# KiCad board DCTransistor_Bidirectional.kicad_pcb (continued)
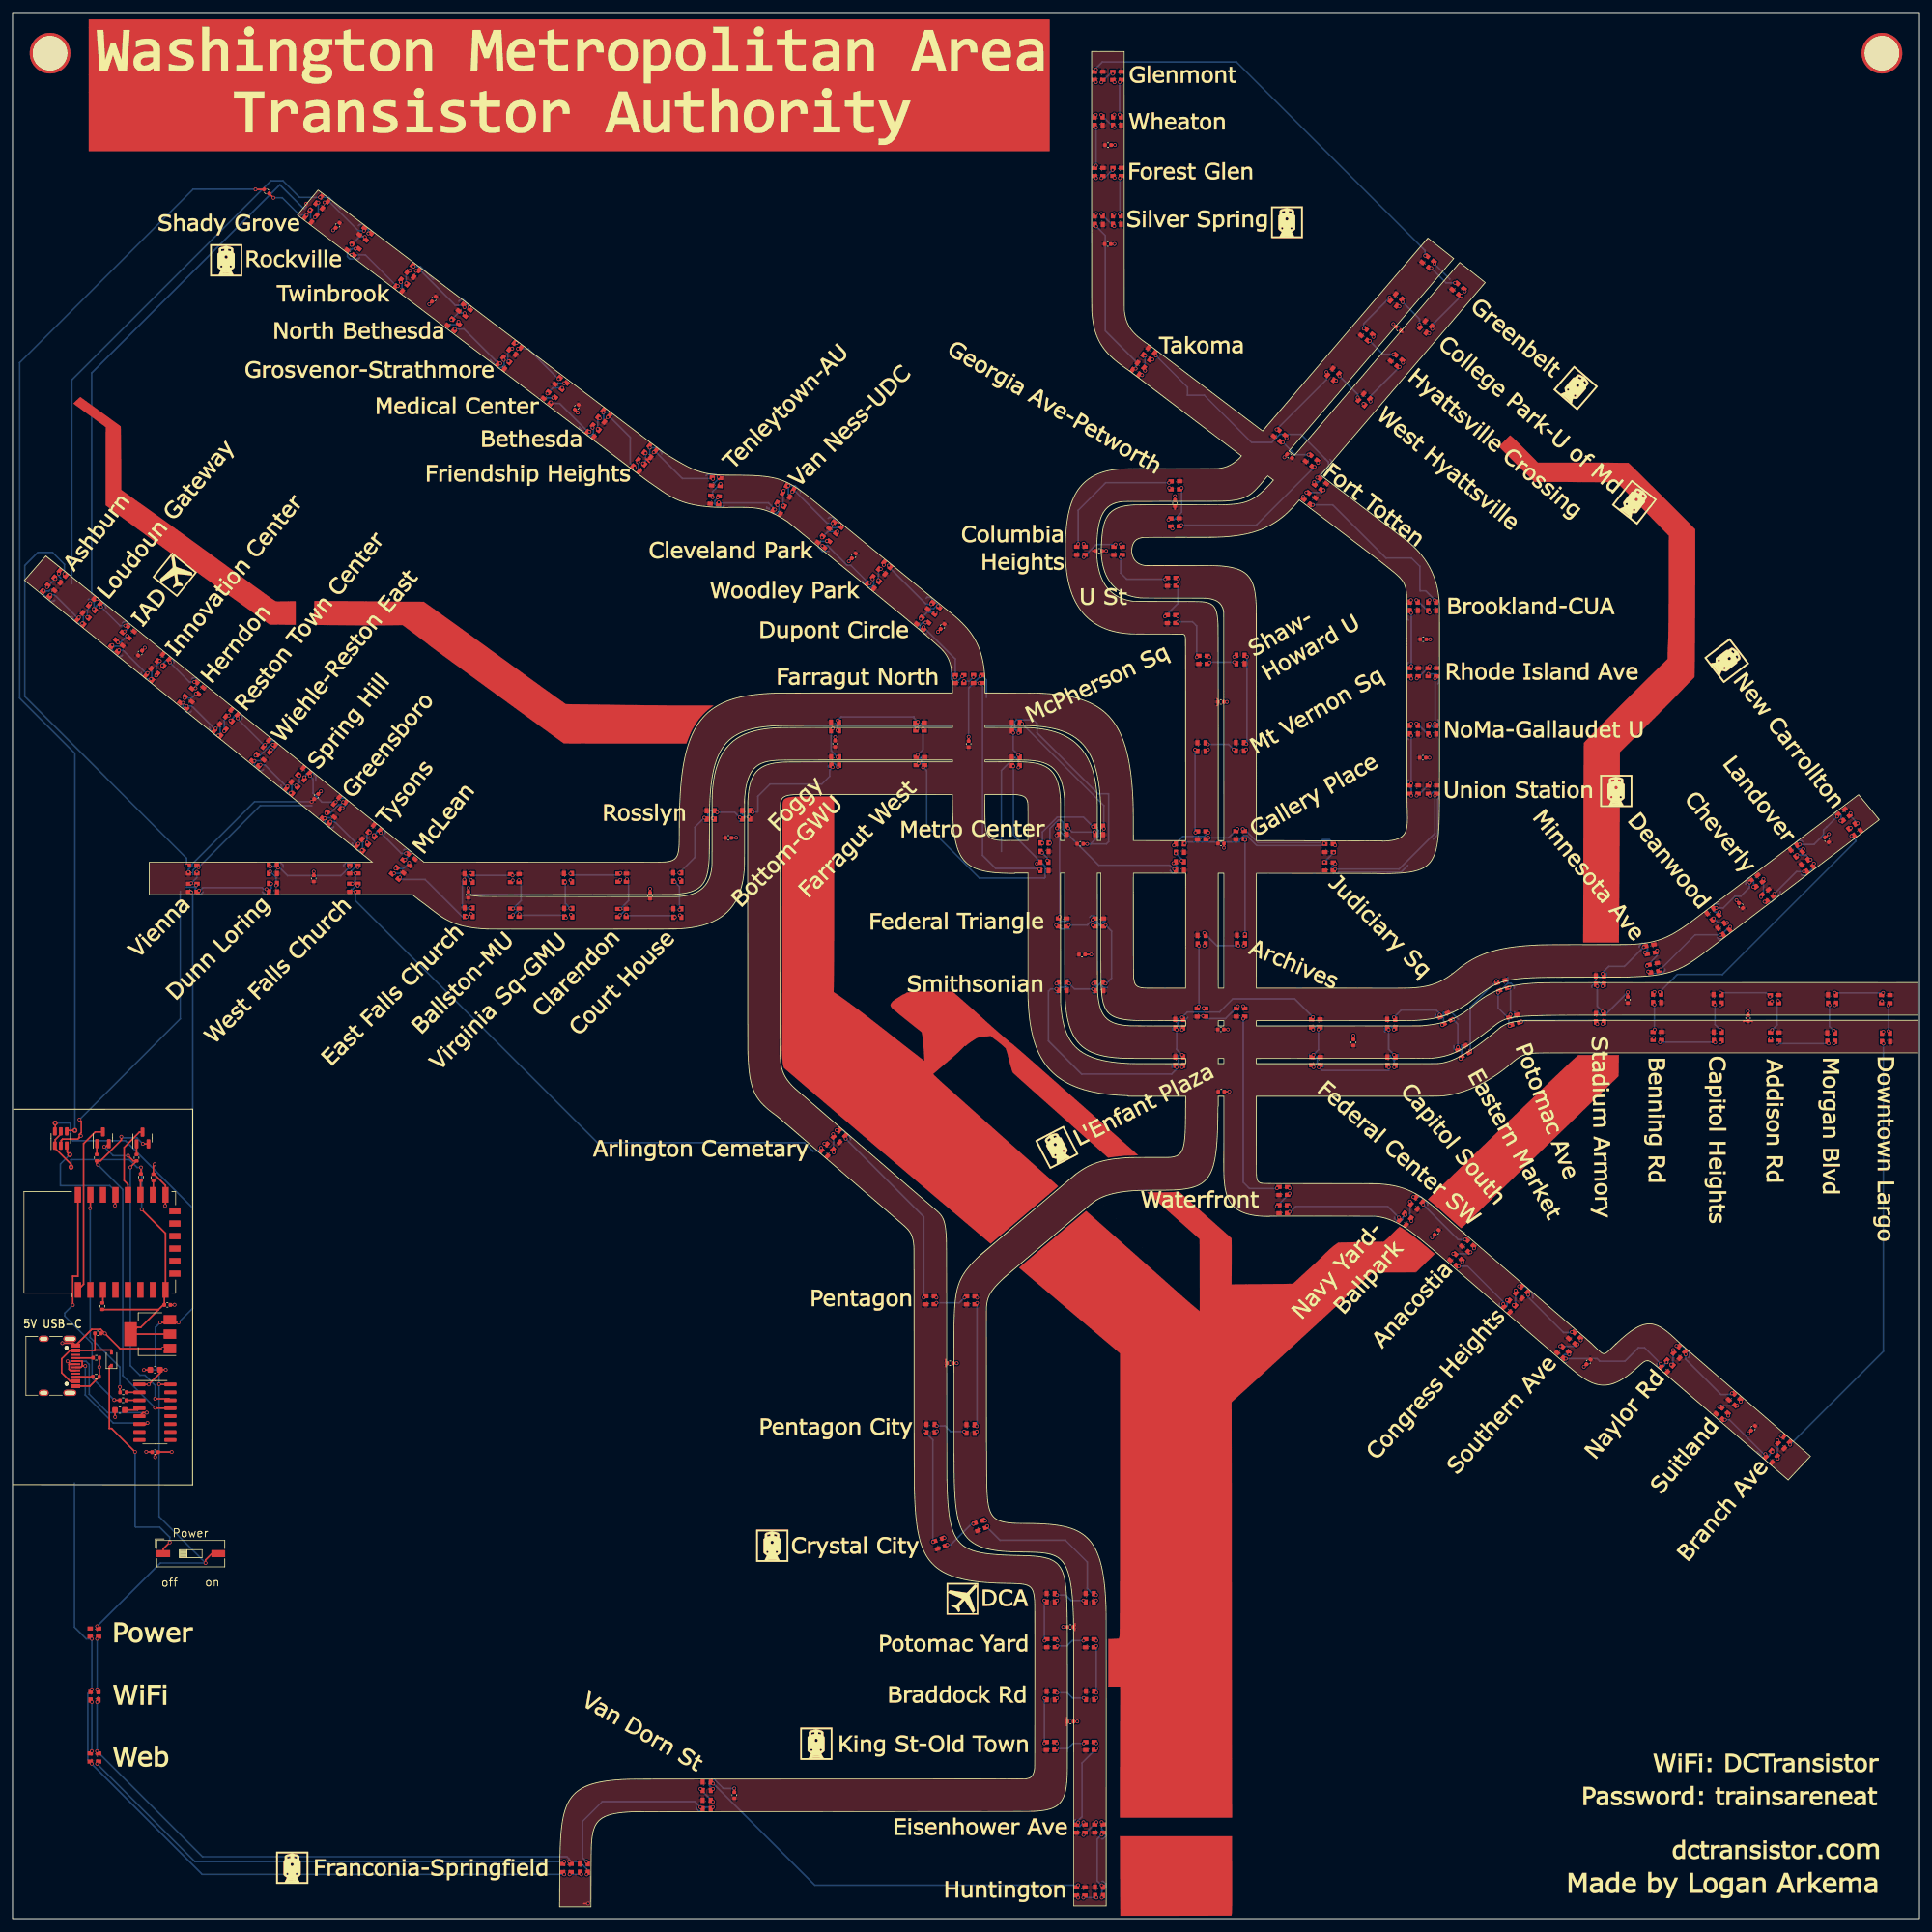
[diagram p0: board, top side]
## Routing (per net, layer and track width the routed paths; a pad name or vN(x,y) marks a point on that pad's centre or on a via; arc(x,y) is an arc through that point) (continued)
Net-(D106-Pad1): length 5.2
  Top w0.25: v1(262.43,146.24) 262.44,146.25 262.44,146.81 ; v1(262.48,142.24) 262.48,142.24 262.48,141.64
  Bottom w0.25: v1(262.43,146.24) 262.43,142.29 v1(262.48,142.24)
Net-(D107-Pad1): length 43.6
  Top w0.25: 294.36,173.59 294.33,173.59 v1(293.92,173.18) ; v1(263.28,148.23) 263.29,148.23 263.29,147.66
  Bottom w0.25: v1(263.28,148.23) 265.56,150.51 265.56,150.52 266.09,151.05 273.32,151.05 294.6,172.33 294.6,172.5 v1(293.92,173.18)
Net-(D108-Pad1): length 3.3
  Top w0.25: v1(293.78,176.83) 293.42,176.47 293.31,176.47 ; v1(294.93,175.21) 294.51,174.79 294.5,174.79
  Bottom w0.25: v1(293.78,176.83) 293.78,176.36 v1(294.93,175.21)
Net-(D109-Pad1): length 9.5
  Top w0.25: v1(285.65,171.82) 285.23,171.4 285.21,171.4 ; 292.11,176.61 291.96,176.61 v1(291.63,176.28)
  Bottom w0.25: v1(291.63,176.28) 290.02,174.67 289.99,174.67 289.46,174.14 289.46,173.35 287.93,171.82 v1(285.65,171.82)
Net-(D110-Pad1): length 3.3
  Top w0.25: 285.07,170.2 285.13,170.14 v1(285.25,170.14) ; v1(287.4,169.39) 287.07,169.06 286.94,169.06
  Bottom w0.25: v1(285.25,170.14) 286.65,170.14 v1(287.4,169.39)
Net-(D111-Pad1): length 7.4
  Top w0.25: v1(286.33,167.49) 286.7,167.86 286.8,167.86 ; 281.13,163.61 281.25,163.61 v1(281.58,163.94)
  Bottom w0.25: v1(286.33,167.49) 285.13,167.49 v1(281.58,163.94)
Net-(D112-Pad1): length 4.3
  Top w0.25: v1(279.86,166.32) 279.45,165.91 279.39,165.91 ; 279.93,163.75 279.79,163.75 v1(279.47,163.43)
  Bottom w0.25: v1(279.47,163.43) 279.86,163.82 v1(279.86,166.32)
Net-(D113-Pad1): length 8.8
  Top w0.25: v1(272.31,161.68) 271.91,161.28 271.86,161.28 ; 278.19,166.05 277.97,166.05 v1(277.67,165.75)
  Bottom w0.25: v1(272.31,161.68) 273.44,161.68 275.31,163.55 276.23,163.55 277.63,164.95 277.63,165.71 v1(277.67,165.75)
Net-(D114-Pad1): length 3.3
  Top w0.25: 271.72,160.08 271.79,160.01 v1(271.91,160.01) ; 273.58,158.93 273.68,158.93 v1(274.04,159.29)
  Bottom w0.25: v1(271.91,160.01) 272.63,159.29 v1(274.04,159.29)
Net-(D115-Pad1): length 13.1
  Top w0.25: v1(272.97,157.38) 273.32,157.73 273.44,157.73 ; v1(263.41,151.85) 263.32,151.76 262.86,151.76
  Bottom w0.25: v1(272.97,157.38) 268.94,157.38 v1(263.41,151.85)
Net-(D116-Pad1): length 4.3
  Top w0.25: 261.86,152.44 261.26,152.44 v1(261.25,152.43) ; v1(262.86,154.88) 262.71,154.73 262.31,154.73
  Bottom w0.25: v1(261.25,152.43) 262.86,154.04 v1(262.86,154.88)
Net-(D117-Pad1): length 9.6
  Top w0.25: v1(254.15,151.15) 254.15,151.15 254.15,150.58 ; 261.31,155.41 260.73,155.41 v1(260.72,155.42)
  Bottom w0.25: v1(260.72,155.42) 257.64,152.34 255.14,152.34 254.15,151.35 v1(254.15,151.15)
Net-(D118-Pad1): length 5.5
  Top w0.25: 254.16,144.55 254.16,145.12 v1(254.15,145.12) ; 253.29,149.73 253.29,149.19 v1(253.3,149.18)
  Bottom w0.25: v1(253.3,149.18) 253.3,145.97 v1(254.15,145.12)
Net-(D119-Pad1): length 13.7
  Top w0.25: 253.31,143.7 253.31,143.12 v1(253.3,143.11) ; v1(241.17,143.52) 241.17,143.52 240.57,143.52
  Bottom w0.25: v1(241.17,143.52) 241.51,143.52 241.66,143.67 252.81,143.67 253.3,143.18 v1(253.3,143.11)
Net-(D120-Pad1): length 5.6
  Top w0.25: 239.49,144.06 239.49,144.56 v1(239.42,144.63) ; v1(239.25,149.01) 239.24,149.02 238.66,149.02
  Bottom w0.25: v1(239.25,149.01) 239.42,148.84 v1(239.42,144.63)
Net-(D121-Pad1): length 14.1
  Top w0.25: 232.49,138.61 232.74,138.61 v1(233,138.87) ; 237.58,149.56 237.58,149.59 v1(237.17,150)
  Bottom w0.25: v1(233,138.87) 233,145.83 v1(237.17,150)
Net-(D122-Pad1): length 6
  Top w0.25: 231.33,138.95 231.33,139.1 v1(231.01,139.42) ; 229.66,143.85 230.23,143.85 v1(230.25,143.87)
  Bottom w0.25: v1(231.01,139.42) 231.01,143.11 v1(230.25,143.87)
Net-(D123-Pad1): length 9.4
  Top w0.25: 228.5,144.19 228.5,144.22 v1(228.11,144.61) ; v1(220.79,144.19) 220.79,144.19 220.79,143.62
  Bottom w0.25: v1(220.79,144.19) 221.94,145.34 227.58,145.34 228.11,144.81 v1(228.11,144.61)
Net-(D124-Pad1): length 5.5
  Top w0.25: v1(220.83,138.2) 220.84,138.2 220.84,137.62 ; 219.94,142.78 219.94,142.22 v1(219.95,142.21)
  Bottom w0.25: v1(219.95,142.21) 219.95,139.08 v1(220.83,138.2)
Net-(D125-Pad1): length 13
  Top w0.25: v1(208.78,136.21) 208.78,136.22 208.78,136.78 ; 219.99,136.77 219.99,136.22 v1(219.98,136.21)
  Bottom w0.25: v1(208.78,136.21) 209.28,135.71 219.98,135.71 v1(219.98,136.21)
Net-(D126-Pad1): length 5.5
  Top w0.25: v1(208.73,142.26) 208.72,142.27 208.72,142.81 ; v1(207.92,138.2) 207.93,138.2 207.93,137.62
  Bottom w0.25: v1(208.73,142.26) 208.73,139.01 v1(207.92,138.2)
Net-(D127-Pad1): length 24.5
  Top w0.25: 186.91,143.62 186.91,144.18 v1(186.92,144.18) ; v1(207.86,144.22) 207.88,144.21 207.88,143.66
  Bottom w0.25: v1(207.86,144.22) 204.93,147.15 195.04,147.15 192.93,145.04 187.78,145.04 v1(186.92,144.18)
Net-(D128-Pad1): length 5.5
  Top w0.25: 186.06,142.77 186.06,142.22 v1(186.07,142.21) ; 186.93,137.62 186.93,138.21 v1(186.93,138.21)
  Bottom w0.25: v1(186.93,138.21) 186.07,139.07 v1(186.07,142.21)
Net-(D129-Pad1): length 33.8
  Top w0.25: v1(186.07,136.22) 186.07,136.23 186.07,136.78 ; v1(166.84,148.74) 166.84,148.75 167.43,148.75
  Bottom w0.25: v1(186.07,136.22) 186.07,135.93 185.26,135.12 170.88,135.12 165.59,140.41 165.59,148.39 165.94,148.74 v1(166.84,148.74)
Net-(D130-Pad1): length 5.4
  Top w0.25: 168.28,149.59 168.87,149.59 v1(168.87,149.6) ; v1(172.71,148.73) 172.72,148.73 173.28,148.73
  Bottom w0.25: v1(168.87,149.6) 169.74,148.73 v1(172.71,148.73)
Net-(D131-Pad1): length 11.4
  Top w0.25: v1(174.71,158.93) 174.71,158.93 174.12,158.93 ; v1(174.7,149.59) 174.69,149.58 174.13,149.58
  Bottom w0.25: v1(174.7,149.59) 174.81,149.59 175.66,150.44 175.66,157.98 v1(174.71,158.93)
Net-(D132-Pad1): length 5.4
  Top w0.25: 173.26,159.78 172.66,159.78 v1(172.65,159.79) ; 168.25,158.94 168.82,158.94 v1(168.83,158.94)
  Bottom w0.25: v1(172.65,159.79) 172.63,159.79 171.78,158.94 v1(168.83,158.94)
Net-(D133-Pad1): length 14.2
  Top w0.25: D134.3 167.03,173.29 v1(166.85,173.29) ; v1(167.36,160.26) 167.37,160.26 167.37,159.73
  Bottom w0.25: v1(166.85,173.29) 167.36,172.78 v1(167.36,160.26)
Net-(D134-Pad1): length 4.9
  Top w0.25: v1(172.92,173.82) 173.03,173.71 D135.3
  Bottom w0.25: v1(168.75,174.42) 169.36,173.81 172.91,173.81 v1(172.92,173.82)
Net-(D135-Pad1): length 23.2
  Top w0.25: 160.79,191.12 160.8,191.12 v1(161.37,191.12) ; 174.33,174.75 174.33,174.45 v1(174.43,174.35)
  Bottom w0.25: v1(161.37,191.12) 174.43,178.06 v1(174.43,174.35)
Net-(D136-Pad1): length 5
  Top w0.25: v1(160.77,186.12) 160.78,186.11 160.78,185.55 ; v1(159.94,189.67) 159.94,189.68 159.94,190.24
  Bottom w0.25: v1(159.94,189.67) 159.94,186.95 v1(160.77,186.12)
Net-(D137-Pad1): length 52.9
  Top w0.25: v1(159.98,184.34) 159.99,184.35 159.99,184.73 ; v1(145.53,184.13) 145.53,184.13 145.53,184.73
  Bottom w0.25: v1(145.53,184.13) 145.61,184.13 146.11,183.63 146.11,174.88 154.53,166.46 164.93,166.46 165.05,166.58 165.05,168.3 159.98,173.37 v1(159.98,184.34)
Net-(D138-Pad1): length 5.2
  Top w0.25: v1(144.68,186.14) 144.69,186.13 144.69,185.58 ; 145.47,190.24 145.53,190.29 v1(145.53,190.32)
  Bottom w0.25: v1(144.68,186.14) 145.53,186.99 v1(145.53,190.32)
Net-(D139-Pad1): length 14.4
  Top w0.25: 144.62,191.09 144.71,191.17 v1(144.71,191.42) ; 131.91,191.1 131.91,191.66 v1(131.9,191.66)
  Bottom w0.25: v1(131.9,191.66) 132.46,192.22 144.1,192.22 144.1,192.03 v1(144.71,191.42)
Net-(D140-Pad1): length 5.5
  Top w0.25: 131.93,185.6 131.93,185.72 v1(131.85,185.79) ; 131.06,190.25 131.11,190.3 v1(131.11,190.38)
  Bottom w0.25: v1(131.85,185.79) 130.86,186.78 130.86,190.13 v1(131.11,190.38)
Net-(D141-Pad1): length 18.9
  Top w0.25: 131.07,184.75 131.07,184.19 v1(131.08,184.18) ; v1(118.29,177.01) 118.28,177 117.69,177
  Bottom w0.25: v1(131.08,184.18) 130.61,183.71 130.61,182.73 129.35,181.47 121.08,181.47 119.13,179.52 119.13,177.09 119.05,177.01 v1(118.29,177.01)
Net-(D142-Pad1): length 5.2
  Top w0.25: v1(112.62,176.97) 112.61,176.97 112.03,176.97 ; v1(116.25,176.15) 116.25,176.15 116.84,176.15
  Bottom w0.25: v1(112.62,176.97) 115.43,176.97 v1(116.25,176.15)
Net-(D143-Pad1): length 11.3
  Top w0.25: v1(110.58,176.11) 110.58,176.12 111.17,176.12 ; v1(106.59,167.29) 106.59,167.13 106.67,167.05
  Bottom w0.25: v1(106.59,167.29) 109.06,169.76 109.06,174.59 v1(110.58,176.11)
Net-(D144-Pad1): length 5.3
  Top w0.25: v1(106.61,161.39) 106.61,161.38 106.69,161.3 ; 105.83,166.2 105.83,165.87 v1(105.84,165.85)
  Bottom w0.25: v1(105.84,165.85) 106.61,165.08 v1(106.61,161.39)
Net-(D146-Pad1): length 6.1
  Top w0.25: v1(97.17,161.55) 97.17,161.48 97,161.31 ; 97.88,166.09 98.03,166.09 v1(98.2,166.27)
  Bottom w0.25: v1(97.17,161.55) 98.46,162.84 98.46,166.01 v1(98.2,166.27)
Net-(D147-Pad1): length 8.8
  Top w0.25: 97.03,166.95 97.17,167.09 v1(97.17,167.26) ; v1(89.16,167.15) 89.16,166.99 89.22,166.94
  Bottom w0.25: v1(97.17,167.26) 96.86,166.95 89.36,166.95 v1(89.16,167.15)
Net-(D148-Pad1): length 5.1
  Top w0.25: 89.25,161.36 89.16,161.45 v1(89.16,161.59) ; 88.36,166.09 88.36,166.08 v1(88.36,165.81)
  Bottom w0.25: v1(88.36,165.81) 88.36,162.39 v1(89.16,161.59)
Net-(D149-Pad1): length 8.5
  Top w0.25: 80.72,160.51 80.8,160.51 80.98,160.69 v1(81.01,160.69) ; 88.41,160.51 88.44,160.47 v1(88.44,160.1)
  Bottom w0.25: v1(81.01,160.69) 81.19,160.51 88.03,160.51 v1(88.44,160.1)
Net-(D150-Pad1): length 5.8
  Top w0.25: 79.88,161.36 79.88,161.44 v1(80.02,161.58) ; v1(80.94,166.12) 80.84,166.03 80.7,166.03
  Bottom w0.25: v1(80.02,161.58) 81.29,162.85 81.29,165.77 v1(80.94,166.12)
Net-(D151-Pad1): length 7.4
  Top w0.25: 79.86,166.88 79.86,166.88 v1(79.93,166.88) ; v1(73.22,167.26) 73.22,166.99 73.33,166.89
  Bottom w0.25: v1(79.93,166.88) 73.6,166.88 v1(73.22,167.26)
Net-(D152-Pad1): length 6.6
  Top w0.25: v1(73.25,161.68) 73.25,161.52 73.34,161.43 ; v1(72.2,166.21) 72.38,166.04 72.47,166.04
  Bottom w0.25: v1(73.25,161.68) 72,161.68 71.89,161.79 71.9,161.8 71.9,165.91 v1(72.2,166.21)
Net-(D153-Pad1): length 13.9
  Top w0.25: v1(72.59,160.28) 72.59,160.48 72.5,160.58 ; 61.61,166.61 61.88,166.61 v1(61.93,166.56)
  Bottom w0.25: v1(72.59,160.28) 71.89,160.28 65.94,166.23 62.26,166.23 v1(61.93,166.56)
Net-(D154-Pad1): length 3
  Top w0.25: v1(61.22,167.98) 61.39,167.81 61.49,167.81 ; 63.43,168.81 63.39,168.86 v1(63.39,168.9)
  Bottom w0.25: v1(63.39,168.9) 62.47,167.98 v1(61.22,167.98)
Net-(D155-Pad1): length 6.6
  Top w0.25: v1(62.89,170.4) 63.28,170.01 63.31,170.01 ; 58.39,174.03 58.5,174.03 v1(58.86,173.67)
  Bottom w0.25: v1(62.89,170.4) 62.13,170.4 v1(58.86,173.67)
Net-(D156-Pad1): length 2.4
  Top w0.25: 56.54,171.77 56.65,171.89 v1(56.65,172.14) ; 57.19,173.91 57.09,173.81 v1(57.09,173.75)
  Bottom w0.25: v1(56.65,172.14) 56.65,173.31 v1(57.09,173.75)
Net-(D157-Pad1): length 6.5
  Top w0.25: 55.34,171.65 55.34,171.86 v1(55.26,171.94) ; v1(50.82,175.48) 50.79,175.51 50.54,175.51
  Bottom w0.25: v1(55.26,171.94) 55.03,171.94 51.49,175.48 v1(50.82,175.48)
Net-(D158-Pad1): length 3.9
  Top w0.25: v1(52.85,178.6) 52.85,178.5 52.88,178.47 ; v1(50.15,176.82) 50.26,176.71 50.42,176.71
  Bottom w0.25: v1(52.85,178.6) 52.41,178.16 52.11,178.16 50.77,176.82 v1(50.15,176.82)
Net-(D159-Pad1): length 8
  Top w0.25: v1(51.66,178.59) 51.68,178.57 51.68,178.35 ; 47.14,183.17 47.15,183.17 v1(47.54,182.78)
  Bottom w0.25: v1(47.54,182.78) 48.03,182.29 48.03,180.02 49.46,178.59 v1(51.66,178.59)
Net-(D160-Pad1): length 2.4
  Top w0.25: 45.94,183.05 45.87,182.97 v1(45.87,182.83) ; v1(45.33,181.24) 45.26,181.17 45.26,180.93
  Bottom w0.25: v1(45.33,181.24) 45.87,181.78 v1(45.87,182.83)
Net-(D161-Pad1): length 6.5
  Top w0.25: 39.27,184.67 39.52,184.67 v1(39.63,184.56) ; v1(43.94,181.13) 44.06,181.01 44.06,180.81
  Bottom w0.25: v1(39.63,184.56) 40.3,184.56 43.73,181.13 v1(43.94,181.13)
Net-(D162-Pad1): length 4.1
  Top w0.25: 39.15,185.87 39,185.87 v1(38.84,186.03) ; v1(41.62,187.77) 41.62,187.6 41.62,187.59
  Bottom w0.25: v1(38.84,186.03) 39.53,186.03 41.27,187.77 v1(41.62,187.77)
Net-(D163-Pad1): length 7.1
  Top w0.25: v1(36,191.99) 36,192.08 35.62,192.46 ; v1(40.36,187.74) 40.42,187.68 40.42,187.47
  Bottom w0.25: v1(40.36,187.74) 40.15,187.74 36,191.89 v1(36,191.99)
Net-(D164-Pad1): length 3.3
  Top w0.25: v1(34.59,192.43) 34.51,192.43 34.42,192.34 ; v1(33.84,189.91) 33.78,189.97 33.78,190.18
  Bottom w0.25: v1(34.59,192.43) 33.84,191.68 v1(33.84,189.91)
Net-(D165-Pad1): length 6.6
  Top w0.25: v1(27.85,193.95) 27.81,193.95 27.77,193.98 ; 32.58,190.06 32.58,190.26 v1(32.48,190.36)
  Bottom w0.25: v1(32.48,190.36) 32.25,190.36 28.66,193.95 v1(27.85,193.95)
Net-(D166-Pad1): length 2.7
  Top w0.25: v1(29.3,195.91) 29.33,195.91 29.64,196.22 ; v1(27.51,195.23) 27.6,195.23 27.65,195.18
  Bottom w0.25: v1(27.51,195.23) 28.62,195.23 v1(29.3,195.91)
Net-(D167-Pad1): length 6.5
  Top w0.25: 29.52,197.42 29.44,197.42 v1(29.06,197.8) ; 24.68,201.33 24.75,201.33 v1(25.14,200.94)
  Bottom w0.25: v1(25.14,200.94) 28.28,197.8 v1(29.06,197.8)
Net-(D168-Pad1): length 2.9
  Top w0.25: v1(23.54,201.15) 23.54,201.15 23.48,201.21 ; v1(22.96,198.83) 22.85,198.94 22.85,199.06
  Bottom w0.25: v1(23.54,201.15) 23.54,200.95 22.96,200.36 v1(22.96,198.83)
Net-(D169-Pad1): length 6.7
  Top w0.25: 21.65,198.94 21.57,199.02 v1(21.57,199.23) ; v1(17.02,202.87) 16.95,202.94 16.71,202.94
  Bottom w0.25: v1(21.57,199.23) 21.31,199.23 17.67,202.87 v1(17.02,202.87)
Net-(D170-Pad1): length 2.4
  Top w0.25: v1(16.82,204.14) 16.81,204.14 16.59,204.14 ; 18.55,205.19 18.53,205.17 v1(18.31,205.17)
  Bottom w0.25: v1(18.31,205.17) 17.28,204.14 v1(16.82,204.14)
Net-(D171-Pad1): length 6.3
  Top w0.25: 13.71,210.22 13.74,210.22 v1(14.15,209.81) ; 18.43,206.39 18.42,206.39 v1(18.01,206.8)
  Bottom w0.25: v1(14.15,209.81) 17.16,206.8 v1(18.01,206.8)
Net-(D172-Pad1): length 3
  Top w0.25: 12.51,210.1 12.51,210.28 v1(12.41,210.38) ; 11.88,207.95 11.88,208.1 v1(11.95,208.17)
  Bottom w0.25: v1(12.41,210.38) 12.41,209.79 11.95,209.33 v1(11.95,208.17)
Net-(D173-Pad1): length 6.6
  Top w0.25: v1(10.6,208.12) 10.68,208.04 10.68,207.83 ; v1(6.02,211.73) 6,211.75 5.87,211.75
  Bottom w0.25: v1(6.02,211.73) 6.71,211.73 10.32,208.12 v1(10.6,208.12)
Net-(D174-Pad1): length 2.4
  Top w0.25: 6.99,214.56 6.99,214.39 v1(6.86,214.26) ; v1(5.51,212.96) 5.53,212.95 5.69,212.95
  Bottom w0.25: v1(5.51,212.96) 6.81,214.26 v1(6.86,214.26)
Net-(D175-Pad1): length 69.3
  Top w0.25: v1(8.29,215.06) 8.19,214.96 8.19,214.68 ; v1(27.83,168.45) 28.02,168.27 28.39,168.27
  Bottom w0.25: v1(8.29,215.06) 8.29,216.61 6.39,218.51 4.06,218.51 1.96,216.41 1.96,195.49 27.83,169.62 v1(27.83,168.45)
Net-(D176-Pad1): length 2.8
  Top w0.25: 28.39,165.33 28.39,165.45 v1(28.57,165.63) ; 29.23,167.42 29.41,167.42 v1(29.45,167.45)
  Bottom w0.25: v1(28.57,165.63) 29.45,166.51 v1(29.45,167.45)
Net-(D177-Pad1): length 12.3
  Top w0.25: v1(29.82,164.47) 29.82,164.48 29.25,164.48 ; v1(40.59,164.68) 40.77,164.51 41.2,164.51
  Bottom w0.25: v1(29.82,164.47) 29.98,164.47 30.44,164.93 39.88,164.93 40.13,164.68 v1(40.59,164.68)
Net-(D178-Pad1): length 2.8
  Top w0.25: v1(41.17,167.51) 41.17,167.44 41.17,167.44 ; v1(42.13,165.28) 42.05,165.36 42.05,165.36
  Bottom w0.25: v1(42.13,165.28) 42.13,166.55 v1(41.17,167.51)
Net-(D179-Pad1): length 13.3
  Top w0.25: 54.13,168.27 53.91,168.27 v1(53.87,168.22) ; v1(42.43,168.12) 42.26,168.29 42.02,168.29
  Bottom w0.25: v1(53.87,168.22) 52.5,166.85 43.95,166.85 42.68,168.12 v1(42.43,168.12)
Net-(D180-Pad1): length 2.4
  Top w0.25: v1(54.31,165.55) 54.13,165.38 54.13,165.34 ; 54.98,167.42 54.98,167.38 v1(54.81,167.2)
  Bottom w0.25: v1(54.31,165.55) 54.81,166.05 v1(54.81,167.2)
Net-(D181-Pad1): length 93.5
  Top w0.25: 54.98,164.5 54.98,164.44 v1(54.81,164.26) ; 129.62,122.94 129.62,122.94 v1(129.23,123.33)
  Bottom w0.25: v1(54.81,164.26) 54.81,162.85 93.49,124.17 126.56,124.17 127.91,122.82 128.72,122.82 v1(129.23,123.33)
Net-(D182-Pad1): length 4.1
  Top w0.25: v1(131.15,125.52) 131.54,125.13 131.55,125.13 ; v1(131.24,122.61) 130.83,123.02 130.82,123.02
  Bottom w0.25: v1(131.15,125.52) 131.24,125.43 v1(131.24,122.61)
Net-(D183-Pad1): length 31.7
  Top w0.25: 146.24,99.41 145.66,99.41 v1(145.65,99.41) ; 132.75,125.21 132.77,125.21 v1(133.18,124.8)
  Bottom w0.25: v1(133.18,124.8) 145.65,112.33 v1(145.65,99.41)
Net-(D184-Pad1): length 6
  Top w0.25: v1(147.67,98.56) 147.66,98.56 147.09,98.56 ; v1(152.16,99.4) 152.16,99.4 152.75,99.4
  Bottom w0.25: v1(152.16,99.4) 151.32,98.56 v1(147.67,98.56)
Net-(D185-Pad1): length 20.9
  Top w0.25: 153.54,78.84 153.55,78.84 v1(154.12,78.84) ; v1(154.17,98.54) 154.16,98.55 153.59,98.55
  Bottom w0.25: v1(154.17,98.54) 154.17,78.89 v1(154.12,78.84)
Net-(D186-Pad1): length 5.9
  Top w0.25: v1(147.73,78.89) 147.72,78.89 147.16,78.89 ; v1(152.11,77.99) 152.12,77.99 152.69,77.99
  Bottom w0.25: v1(147.73,78.89) 149.04,78.89 149.94,77.99 v1(152.11,77.99)
Net-(D187-Pad1): length 19.4
  Top w0.25: v1(147.11,60.34) 147.11,60.34 147.7,60.34 ; v1(145.73,78.03) 145.74,78.04 146.31,78.04
  Bottom w0.25: v1(147.11,60.34) 147.11,76.65 v1(145.73,78.03)
Net-(D188-Pad1): length 6.7
  Top w0.25: 148.8,59.86 149.4,59.86 v1(149.41,59.87) ; 154.14,63.23 153.57,63.23 v1(153.56,63.24)
  Bottom w0.25: v1(153.56,63.24) 153.3,63.24 149.93,59.87 v1(149.41,59.87)
Net-(D189-Pad1): length 25.8
  Top w0.25: v1(155.79,62.88) 155.66,62.75 155.24,62.75 ; v1(173.19,51.86) 173.18,51.84 172.6,51.84
  Bottom w0.25: v1(173.19,51.86) 172.83,51.86 171.78,52.91 171.78,57.14 168.3,60.62 157.83,60.62 155.79,62.66 v1(155.79,62.88)
Net-(D190-Pad1): length 5.8
  Top w0.25: 171.75,51 171.16,51 v1(171.16,50.99) ; v1(166.95,51.85) 166.94,51.84 166.37,51.84
  Bottom w0.25: v1(171.16,50.99) 169.19,50.99 168.33,51.85 v1(166.95,51.85)
Net-(D191-Pad1): length 7.7
  Top w0.25: 165.57,44.59 164.97,44.59 v1(164.95,44.57) ; v1(164.92,50.99) 164.93,51 165.51,51
  Bottom w0.25: v1(164.92,50.99) 164.92,44.6 v1(164.95,44.57)
Net-(D192-Pad1): length 5.7
  Top w0.25: 171.78,44.57 171.18,44.57 v1(171.17,44.57) ; v1(167,43.73) 167,43.74 166.43,43.74
  Bottom w0.25: v1(167,43.73) 168.54,43.73 169.38,44.57 v1(171.17,44.57)
Net-(D193-Pad1): length 8.7
  Top w0.25: v1(173.24,36.25) 173.24,36.25 172.66,36.25 ; v1(173.21,43.72) 173.21,43.73 172.62,43.73
  Bottom w0.25: v1(173.21,43.72) 173.21,36.28 v1(173.24,36.25)
Net-(D194-Pad1): length 5.8
  Top w0.25: 166.37,36.23 166.96,36.23 v1(166.96,36.23) ; 171.81,35.4 171.22,35.4 v1(171.21,35.4)
  Bottom w0.25: v1(171.21,35.4) 169.42,35.4 168.59,36.23 v1(166.96,36.23)
Net-(D195-Pad1): length 8.4
  Top w0.25: 165.5,28.17 164.93,28.17 v1(164.92,28.17) ; 165.51,35.38 164.94,35.38 v1(164.94,35.37)
  Bottom w0.25: v1(164.94,35.37) 164.94,28.19 v1(164.92,28.17)
Net-(D196-Pad1): length 5.8
  Top w0.25: 171.79,28.16 171.22,28.16 v1(171.21,28.15) ; v1(166.94,27.32) 166.94,27.31 166.34,27.31
  Bottom w0.25: v1(171.21,28.15) 169.51,28.15 168.65,27.29 168.58,27.29 168.55,27.32 v1(166.94,27.32)
Net-(D197-Pad1): length 14.1
  Top w0.25: v1(173.23,27.3) 173.22,27.31 172.65,27.31 ; 170.32,14.95 170.32,15.5 v1(170.33,15.51)
  Bottom w0.25: v1(173.23,27.3) 170.95,25.02 170.95,16.43 170.33,15.81 v1(170.33,15.51)
Net-(D198-Pad1): length 4.1
  Top w0.25: v1(171.18,13.52) 171.18,13.53 171.18,14.11 ; 173.24,14.97 173.24,15.55 v1(173.24,15.55)
  Bottom w0.25: v1(171.18,13.52) 173.21,15.55 v1(173.24,15.55)
Net-(D199-Pad1): length 9.8
  Top w0.25: v1(174.09,13.56) 174.09,13.56 174.09,14.12 ; v1(174.09,5.47) 174.09,5.47 174.09,4.92
  Bottom w0.25: v1(174.09,5.47) 173.36,6.2 173.36,12.83 v1(174.09,13.56)
Net-(D200-Pad1): length 3.2
  Top w0.25: 173.25,4.06 173.25,3.51 v1(173.25,3.51) ; 171.16,4.06 171.16,3.5 v1(171.16,3.5)
  Bottom w0.25: v1(171.16,3.5) 171.17,3.51 v1(173.25,3.51)
Net-(D201-Pad1): length 66.2
  Top w0.25: v1(170.32,5.49) 170.31,5.49 170.31,4.92 ; v1(111.98,21.72) 111.97,21.72 111.39,21.72
  Bottom w0.25: v1(170.32,5.49) 128.23,5.49 112,21.72 v1(111.98,21.72)
Net-(D202-Pad1): length 4.1
  Top w0.25: 110.53,20.87 109.97,20.87 v1(109.96,20.87) ; v1(111.96,18.81) 111.95,18.81 111.38,18.81
  Bottom w0.25: v1(109.96,20.87) 109.96,20.81 v1(111.96,18.81)
Net-(D203-Pad1): length 28.4
  Top w0.25: v1(109.94,17.96) 109.94,17.95 110.53,17.95 ; 91.75,8.65 91.75,9.22 v1(91.76,9.22)
  Bottom w0.25: v1(109.94,17.96) 109.06,18.84 94.26,18.84 91.12,15.7 91.12,9.86 v1(91.76,9.22)
Net-(D204-Pad1): length 3
  Top w0.25: 90.91,7.8 90.91,7.23 v1(90.91,7.22) ; 89.03,7.81 89.03,7.23 v1(89.04,7.22)
  Bottom w0.25: v1(90.91,7.22) v1(89.04,7.22)
Net-(D205-Pad1): length 82.3
  Top w0.25: 13.52,25.47 13.52,24.9 v1(13.52,24.89) ; 88.19,8.66 88.19,9.24 v1(88.18,9.24)
  Bottom w0.25: v1(13.52,24.89) 29.17,9.24 v1(88.18,9.24)
Net-(D206-Pad1): length 9
  Top w0.25: v1(12.67,26.9) 12.66,26.9 12.66,26.31 ; v1(12.68,34.76) 12.68,34.76 12.68,35.34
  Bottom w0.25: v1(12.67,26.9) 12.67,34.75 v1(12.68,34.76)
Net-(D207-Pad1): length 9.3
  Top w0.25: 13.52,45.44 13.52,44.87 v1(13.52,44.86) ; v1(13.53,36.76) 13.53,36.75 13.53,36.19
  Bottom w0.25: v1(13.53,36.76) 13.53,44.85 v1(13.52,44.86)
Net-(J0-PadA5): length 2.8
  Top w0.25: R0.2 12.85,89.75 J0.A5
Net-(J0-PadA6): length 23.9
  Top w0.25: 9.06,88.75 9.04,88.72 9.04,87.93 9.22,87.75 J0.B6 ; 9.06,88.75 9.06,88.95 v1(8.79,89.22) ; 9.06,88.75 J0.A6 ; v1(21.45,81.01) 20.85,81.01 U0.5
  Bottom w0.25: v1(8.79,89.22) 11.75,89.22 12.26,88.71 12.26,83.96 15.21,81.01 v1(21.45,81.01) 21.37,80.93
Net-(J0-PadA7): length 21.3
  Top w0.25: J0.A7 10.92,88.25 11.13,88.46 ; 11.13,88.46 11.13,89.22 11.11,89.25 J0.B7 ; 11.13,88.46 v1(11.63,88.46) ; v1(21.57,79.36) 21.39,79.18 U0.6
  Bottom w0.25: v1(11.63,88.46) 11.63,83.83 16.1,79.36 v1(21.57,79.36) 21.55,79.38
Net-(J0-PadB5): length 2.8
  Top w0.25: J0.B5 R3.2
Net-(Q0-Pad1): length 1.7
  Top w0.25: Q0.1 13.47,123.97 R4.2
Net-(Q0-Pad2): length 50.1
  Top w0.25: U0.14 24.99,83.23 v1(22.81,83.23) ; v1(18.46,122.09) 19.3,121.25 R5.1 18.84,120.26 v1(18.84,120.21) ; v1(14.66,123.51) 14.91,123.51 Q0.2
  Bottom w0.25: v1(18.46,122.09) 16.08,122.09 v1(14.66,123.51) ; v1(18.84,120.21) 18.84,88.52 20.36,87 21.16,87 22.81,85.36 v1(22.81,83.23)
Net-(Q1-Pad1): length 1.7
  Top w0.25: R5.2 Q1.1
Net-(Q1-Pad2): length 56.5
  Top w0.25: v1(22.78,81.79) 22.86,81.72 U0.13 ; v1(17.39,125.11) 17.39,124.58 14.06,121.25 R4.1 13.47,120.82 v1(13.65,120.64) ; v1(20.83,123.98) 20.84,123.97 Q1.2
  Bottom w0.25: v1(17.39,125.11) 17.39,124.93 19.88,124.93 v1(20.83,123.98) ; v1(13.65,120.64) 17.61,116.68 17.61,86.96 v1(22.78,81.79)
Net-(R1-Pad1): length 2.1
  Top w0.25: U0.2 20.28,84.26 R1.1
Net-(R2-Pad1): length 2.1
  Top w0.25: U0.3 20.28,82.99 R2.1
Net-(R6-Pad2): length 1.7
  Top w0.25: 14.31,98.5 R6.2 14.45,98.64 14.45,100.11
Net-(R7-Pad1): length 2.3
  Top w0.25: 20.46,115.92 20.46,118.18
Net-(R8-Pad2): length 178.2
  Top w0.25: R8.2 38.84,276.52 v1(38.84,276.52) ; v2(9.97,126.12) 8.86,126.12 8.74,126
  Bottom w0.25: v1(38.84,276.52) 38.8,276.56 28.87,276.56 1.14,248.83 1.14,195.22 9.97,186.39 v2(9.97,126.12)
Net-(R9-Pad1): length 2.2
  Top w0.25: 22.51,115.95 22.51,118.18

## Copper pours and planes (outline as drawn; the poured copper is in the pictures)
+5V on Top: outline of 3380 points within 2.04,2.12 304.49,298.48
GND on Bottom: 2.1,129.48 2.13,129.46 4.58,127.01 4.63,126.98 4.91,126.97 6.25,126.97 6.32,126.95 6.35,126.92 6.39,126.87 6.52,126.77 6.66,126.71 6.82,126.69 6.98,126.71 7.12,126.77 7.25,126.87 7.29,126.92 7.35,126.96 7.39,126.97 8.79,126.97 8.86,126.95 8.91,126.9 8.92,126.85 8.92,124.96 8.92,124.91 8.93,124.83 9.03,124.69 9.23,124.5 9.26,124.43 9.26,124.42 9.3,124.32 9.37,124.23 9.47,124.17 9.56,124.16 9.61,124.16 9.64,124.15 9.69,124.14 9.83,124.16 14.31,124.16 14.38,124.14 14.43,124.08 14.44,124.01 14.41,123.95 14.38,123.92 14.33,123.9 14.24,123.79 14.18,123.66 14.15,123.52 14.17,123.37 14.23,123.24 14.32,123.13 14.44,123.05 14.58,123.01 14.65,123.01 14.72,122.99 14.74,122.97 15.71,122 15.74,121.94 15.74,121.87 15.69,121.81 15.63,121.79 15.62,121.79 9.91,121.79 9.84,121.81 9.81,121.84 9.65,121.97 9.51,122.03 9.35,122.05 9.31,122.05 9.24,122.06 9.18,122.11 9.16,122.17 9.17,122.22 9.22,122.32 9.24,122.48 9.22,122.63 9.15,122.78 9.06,122.91 8.93,123 8.79,123.06 8.63,123.08 8.47,123.06 8.33,123 8.2,122.91 8.11,122.78 8.04,122.63 8.02,122.48 8.02,122.34 8,122.31 7.44,121.75 7.36,121.65 7.35,121.62 7.33,121.54 7.33,121.49 7.33,117.24 7.35,117.19 7.6,116.97 15.35,116.97 15.41,116.95 15.44,116.94 16.01,116.37 16.04,116.3 16.04,116.28 16.04,114.54 16.02,114.47 16.01,114.45 15.95,114.38 15.89,114.25 15.88,113.96 16.03,113.72 16.15,113.64 16.29,113.6 16.43,113.6 16.57,113.64 16.69,113.71 16.79,113.82 16.85,113.95 16.88,114.09 16.88,114.1 16.86,114.24 16.8,114.37 16.73,114.45 16.7,114.52 16.7,114.54 16.7,116.44 16.7,116.49 16.68,116.58 16.67,116.6 16.62,116.68 16.59,116.71 15.78,117.52 15.67,117.6 15.65,117.61 15.56,117.63 15.51,117.63 8.11,117.63 8.04,117.65 8,117.7 7.99,117.75 7.99,121.32 8.01,121.39 8.02,121.41 8.46,121.84 8.52,121.88 8.56,121.88 8.61,121.87 8.68,121.85 8.72,121.79 8.72,121.72 8.69,121.67 8.66,121.63 8.62,121.52 8.62,121.4 8.66,121.3 8.73,121.21 8.79,121.18 8.83,121.14 8.92,121.02 9.05,120.92 9.19,120.86 9.35,120.84 9.51,120.86 9.65,120.92 9.78,121.02 9.83,121.09 9.89,121.13 9.93,121.14 13.14,121.14 13.21,121.12 13.26,121.06 13.27,120.99 13.23,120.92 13.17,120.79 13.16,120.5 13.31,120.26 13.43,120.18 13.57,120.14 13.64,120.14 13.71,120.12 13.73,120.1 17.25,116.58 17.28,116.52 17.28,116.49 17.28,88.92 17.26,88.86 17.21,88.81 17.14,88.8 17.08,88.83 17.07,88.84 9.77,96.13 9.74,96.19 9.74,96.22 9.74,110.85 9.76,110.92 9.77,110.94 12.04,113.21 12.1,113.24 12.32,113.19 12.46,113.19 12.6,113.23 12.72,113.3 12.82,113.41 12.88,113.54 12.91,113.68 12.91,113.69 12.83,113.96 12.73,114.07 12.61,114.15 12.47,114.19 12.33,114.19 12.19,114.15 12.07,114.08 12.05,114.05 11.99,114.01 11.92,113.99 11.82,113.91 9.37,111.46 9.3,111.42 9.23,111.43 9.18,111.47 9.15,111.54 9.15,111.54 9.15,116.35 1.83,116.35 1.83,100.11 7.88,100.11 7.95,100.09 7.99,100.04 8,99.97 7.97,99.9 7.93,99.85 7.87,99.72 7.86,99.43 7.99,99.21 8.02,99.15 8.02,99.13 8.02,96.48 8.02,96.43 8.04,96.35 8.13,96.21 12.35,92 12.38,91.94 12.38,91.91 12.38,89.35 12.36,89.29 12.31,89.24 12.24,89.23 12.18,89.26 12,89.44 11.97,89.47 11.87,89.53 11.78,89.55 11.73,89.55 9.23,89.55 9.16,89.57 9.12,89.6 9,89.68 8.86,89.72 8.72,89.72 8.58,89.68 8.46,89.61 8.37,89.5 8.31,89.37 8.3,89.08 8.36,88.95 8.57,88.76 8.71,88.72 8.85,88.72 8.99,88.76 9.19,88.89 9.23,88.89 11.08,88.89 11.15,88.87 11.2,88.82 11.21,88.75 11.2,88.71 11.15,88.61 11.14,88.32 11.2,88.19 11.27,88.1 11.3,88.04 11.3,88.02 11.3,83.85 11.3,83.8 11.32,83.72 11.41,83.59 15.86,79.14 15.89,79.11 15.96,79.06 15.99,79.05 16.07,79.03 16.12,79.03 21.13,79.03 21.2,79.01 21.23,78.98 21.35,78.9 21.49,78.86 21.63,78.86 21.77,78.9 21.89,78.97 21.99,79.08 22.05,79.21 22.08,79.35 22.08,79.36 22.06,79.5 22,79.63 21.9,79.74 21.78,79.82 21.64,79.86 21.5,79.86 21.36,79.82 21.24,79.75 21.23,79.73 21.17,79.69 21.13,79.69 16.29,79.69 16.22,79.71 16.2,79.72 15.45,80.47 15.42,80.53 15.42,80.6 15.46,80.66 15.53,80.69 15.54,80.69 21.01,80.69 21.08,80.67 21.11,80.63 21.23,80.56 21.37,80.51 21.51,80.51 21.65,80.55 21.77,80.62 21.87,80.73 21.93,80.86 21.96,81 21.96,81.01 21.94,81.15 21.88,81.28 21.78,81.39 21.66,81.47 21.52,81.51 21.38,81.51 21.24,81.47 21.12,81.4 21.11,81.38 21.05,81.34 21.01,81.34 15.4,81.34 15.33,81.36 15.31,81.37 12.62,84.06 12.59,84.12 12.59,84.15 12.59,85.94 12.61,86.01 12.66,86.05 12.73,86.06 12.79,86.04 12.8,86.03 15.72,83.11 15.75,83.05 15.77,82.89 15.83,82.76 15.92,82.65 16.04,82.57 16.18,82.53 16.32,82.53 16.46,82.57 16.58,82.64 16.68,82.75 16.74,82.88 16.77,83.02 16.77,83.03 16.69,83.3 16.59,83.41 16.47,83.49 16.33,83.53 16.27,83.53 16.2,83.55 16.18,83.57 13.07,86.68 13.04,86.74 13.04,86.77 13.04,91.64 13.06,91.71 13.11,91.76 13.18,91.77 13.24,91.74 13.25,91.73 16.8,88.19 16.83,88.12 16.83,88.1 16.83,85.55 16.81,85.48 16.74,85.39 16.68,85.26 16.67,84.97 16.73,84.84 16.82,84.73 16.94,84.65 17.08,84.61 17.22,84.61 17.36,84.65 17.48,84.72 17.58,84.83 17.64,84.96 17.67,85.1 17.67,85.11 17.59,85.38 17.52,85.46 17.49,85.53 17.49,85.55 17.49,86.32 17.51,86.39 17.56,86.43 17.63,86.44 17.69,86.42 17.7,86.41 22.24,81.87 22.27,81.81 22.29,81.65 22.35,81.52 22.44,81.41 22.56,81.33 22.7,81.29 22.84,81.29 22.95,81.32 23.02,81.31 23.08,81.28 23.1,81.21 23.1,81.19 23.1,75.21 23.08,75.14 23.03,75.1 22.98,75.09 21.31,75.09 21.23,75.09 20.83,75.09 20.76,75.11 20.72,75.14 20.6,75.22 20.46,75.26 20.32,75.26 20.18,75.22 20.06,75.14 19.99,75.11 19.92,75.12 19.91,75.13 19.8,75.2 19.66,75.24 19.52,75.24 19.38,75.2 19.26,75.13 19.17,75.02 19.11,74.89 19.1,74.6 19.16,74.47 19.23,74.38 19.26,74.32 19.26,74.3 19.26,69.64 19.24,69.57 19.19,69.52 19.14,69.51 1.64,69.49 1.57,69.51 1.52,69.57 1.51,69.62 1.5,83.91 3.72,83.91 3.75,83.81 3.75,83.8 3.84,83.63 3.85,83.62 3.96,83.48 3.97,83.47 4.11,83.35 4.12,83.34 4.29,83.25 4.3,83.25 4.47,83.19 4.49,83.19 4.72,83.17 4.74,83.19 5.24,83.19 5.26,83.17 5.48,83.19 5.49,83.19 5.67,83.24 5.68,83.25 5.85,83.33 5.86,83.34 6,83.46 6.01,83.47 6.13,83.61 6.13,83.62 6.22,83.78 6.23,83.79 6.26,83.91 6.26,83.91 7.65,83.91 7.68,83.81 7.68,83.8 7.77,83.63 7.78,83.62 7.89,83.48 7.9,83.47 8.04,83.35 8.05,83.34 8.22,83.25 8.23,83.25 8.4,83.19 8.42,83.19 8.57,83.17 8.9,83.17 8.92,83.19 9.42,83.19 9.44,83.17 9.91,83.19 9.92,83.19 10.1,83.24 10.11,83.25 10.28,83.33 10.29,83.34 10.43,83.46 10.44,83.47 10.56,83.61 10.56,83.62 10.65,83.78 10.66,83.79 10.69,83.91 10.68,83.93 9.44,83.93 9.42,83.91 9.42,83.19 8.92,83.19 8.92,83.91 8.9,83.93 7.66,83.93 7.65,83.92 7.65,83.91 6.26,83.91 6.25,83.93 5.26,83.93 5.24,83.91 5.24,83.19 4.74,83.19 4.74,83.91 4.72,83.93 3.73,83.93 3.72,83.92 3.72,83.91 1.5,83.91 1.5,84.44 3.72,84.44 3.73,84.43 4.72,84.43 4.74,84.45 5.24,84.45 5.26,84.43 6.25,84.43 6.26,84.44 7.65,84.44 7.66,84.43 10.68,84.43 10.69,84.44 10.69,84.45 10.66,84.55 10.66,84.56 10.57,84.73 10.56,84.74 10.45,84.88 10.44,84.89 10.3,85.01 10.29,85.02 10.12,85.11 10.11,85.11 9.94,85.17 9.92,85.17 9.77,85.19 9.28,85.19 9.21,85.21 9.16,85.26 9.15,85.33 9.16,85.36 9.2,85.46 9.22,85.61 9.2,85.76 9.14,85.9 9.05,86.02 8.93,86.11 8.79,86.17 8.68,86.19 8.6,86.19 8.49,86.17 8.35,86.11 8.23,86.02 8.14,85.9 8.08,85.76 8.06,85.61 8.08,85.46 8.14,85.32 8.19,85.26 8.21,85.19 8.2,85.12 8.14,85.07 8.06,85.03 8.05,85.02 7.91,84.9 7.9,84.89 7.78,84.75 7.78,84.74 7.69,84.58 7.68,84.57 7.65,84.45 7.65,84.44 6.26,84.44 6.26,84.45 6.23,84.55 6.23,84.56 6.14,84.73 6.13,84.74 6.02,84.88 6.01,84.89 5.87,85.01 5.86,85.02 5.69,85.11 5.68,85.11 5.51,85.17 5.49,85.17 5.26,85.19 5.24,85.17 5.24,84.45 4.74,84.45 4.74,85.17 4.72,85.19 4.5,85.17 4.49,85.17 4.31,85.12 4.3,85.11 4.13,85.03 4.12,85.02 3.98,84.9 3.97,84.89 3.85,84.75 3.85,84.74 3.76,84.58 3.75,84.57 3.72,84.45 3.72,84.44 1.5,84.44 1.49,92.55 3.72,92.55 3.75,92.45 3.75,92.44 3.84,92.27 3.85,92.26 3.96,92.12 3.97,92.11 4.11,91.99 4.12,91.98 4.29,91.89 4.3,91.89 4.47,91.83 4.49,91.83 4.72,91.81 4.74,91.83 5.24,91.83 5.26,91.81 5.48,91.83 5.49,91.83 5.67,91.88 5.68,91.89 5.85,91.97 5.86,91.98 6,92.1 6.01,92.11 6.13,92.25 6.13,92.26 6.22,92.42 6.23,92.43 6.26,92.55 6.26,92.55 7.65,92.55 7.68,92.45 7.68,92.44 7.77,92.27 7.78,92.26 7.89,92.12 7.9,92.11 8.04,91.99 8.05,91.98 8.15,91.93 8.2,91.88 8.21,91.81 8.19,91.74 8.14,91.68 8.08,91.54 8.06,91.39 8.08,91.24 8.14,91.1 8.23,90.98 8.35,90.89 8.49,90.83 8.6,90.81 8.68,90.81 8.79,90.83 8.93,90.89 9.05,90.98 9.14,91.1 9.2,91.24 9.22,91.39 9.2,91.54 9.16,91.64 9.15,91.71 9.18,91.77 9.25,91.81 9.28,91.81 9.77,91.81 9.91,91.83 9.92,91.83 10.1,91.88 10.11,91.89 10.28,91.97 10.29,91.98 10.43,92.1 10.44,92.11 10.56,92.25 10.56,92.26 10.65,92.42 10.66,92.43 10.69,92.55 10.68,92.57 7.66,92.57 7.65,92.56 7.65,92.55 6.26,92.55 6.25,92.57 5.26,92.57 5.24,92.55 5.24,91.83 4.74,91.83 4.74,92.55 4.72,92.57 3.73,92.57 3.72,92.56 3.72,92.55 1.49,92.55 1.49,93.08 3.72,93.08 3.73,93.07 4.72,93.07 4.74,93.09 5.24,93.09 5.26,93.07 6.25,93.07 6.26,93.08 7.65,93.08 7.66,93.07 8.9,93.07 8.92,93.09 9.42,93.09 9.44,93.07 10.68,93.07 10.69,93.08 10.69,93.09 10.66,93.19 10.66,93.2 10.57,93.37 10.56,93.38 10.45,93.52 10.44,93.53 10.3,93.65 10.29,93.66 10.12,93.75 10.11,93.75 9.94,93.81 9.92,93.81 9.77,93.83 9.44,93.83 9.42,93.81 9.42,93.09 8.92,93.09 8.92,93.81 8.9,93.83 8.43,93.81 8.42,93.81 8.24,93.76 8.23,93.75 8.06,93.67 8.05,93.66 7.91,93.54 7.9,93.53 7.78,93.39 7.78,93.38 7.69,93.22 7.68,93.21 7.65,93.09 7.65,93.08 6.26,93.08 6.26,93.09 6.23,93.19 6.23,93.2 6.14,93.37 6.13,93.38 6.02,93.52 6.01,93.53 5.87,93.65 5.86,93.66 5.69,93.75 5.68,93.75 5.51,93.81 5.49,93.81 5.26,93.83 5.24,93.81 5.24,93.09 4.74,93.09 4.74,93.81 4.72,93.83 4.5,93.81 4.49,93.81 4.31,93.76 4.3,93.75 4.13,93.67 4.12,93.66 3.98,93.54 3.97,93.53 3.85,93.39 3.85,93.38 3.76,93.22 3.75,93.21 3.72,93.09 3.72,93.08 1.49,93.08 1.45,129.37 1.47,129.44 1.52,129.49 1.58,129.5 2.04,129.5
GND on Bottom: 28.75,129.53 28.75,69.52 1.51,69.49 1.45,129.5
GND on Bottom: outline of 3382 points within 2.01,2.12 304.46,298.47

## Text on the board
B.Silkscreen: JLCJLCJLCJLC
F.Silkscreen: 5V USB-C | Power
